# Altium PCB GameBoard_V1I1.PcbDoc (part 5 of 22) (continued)
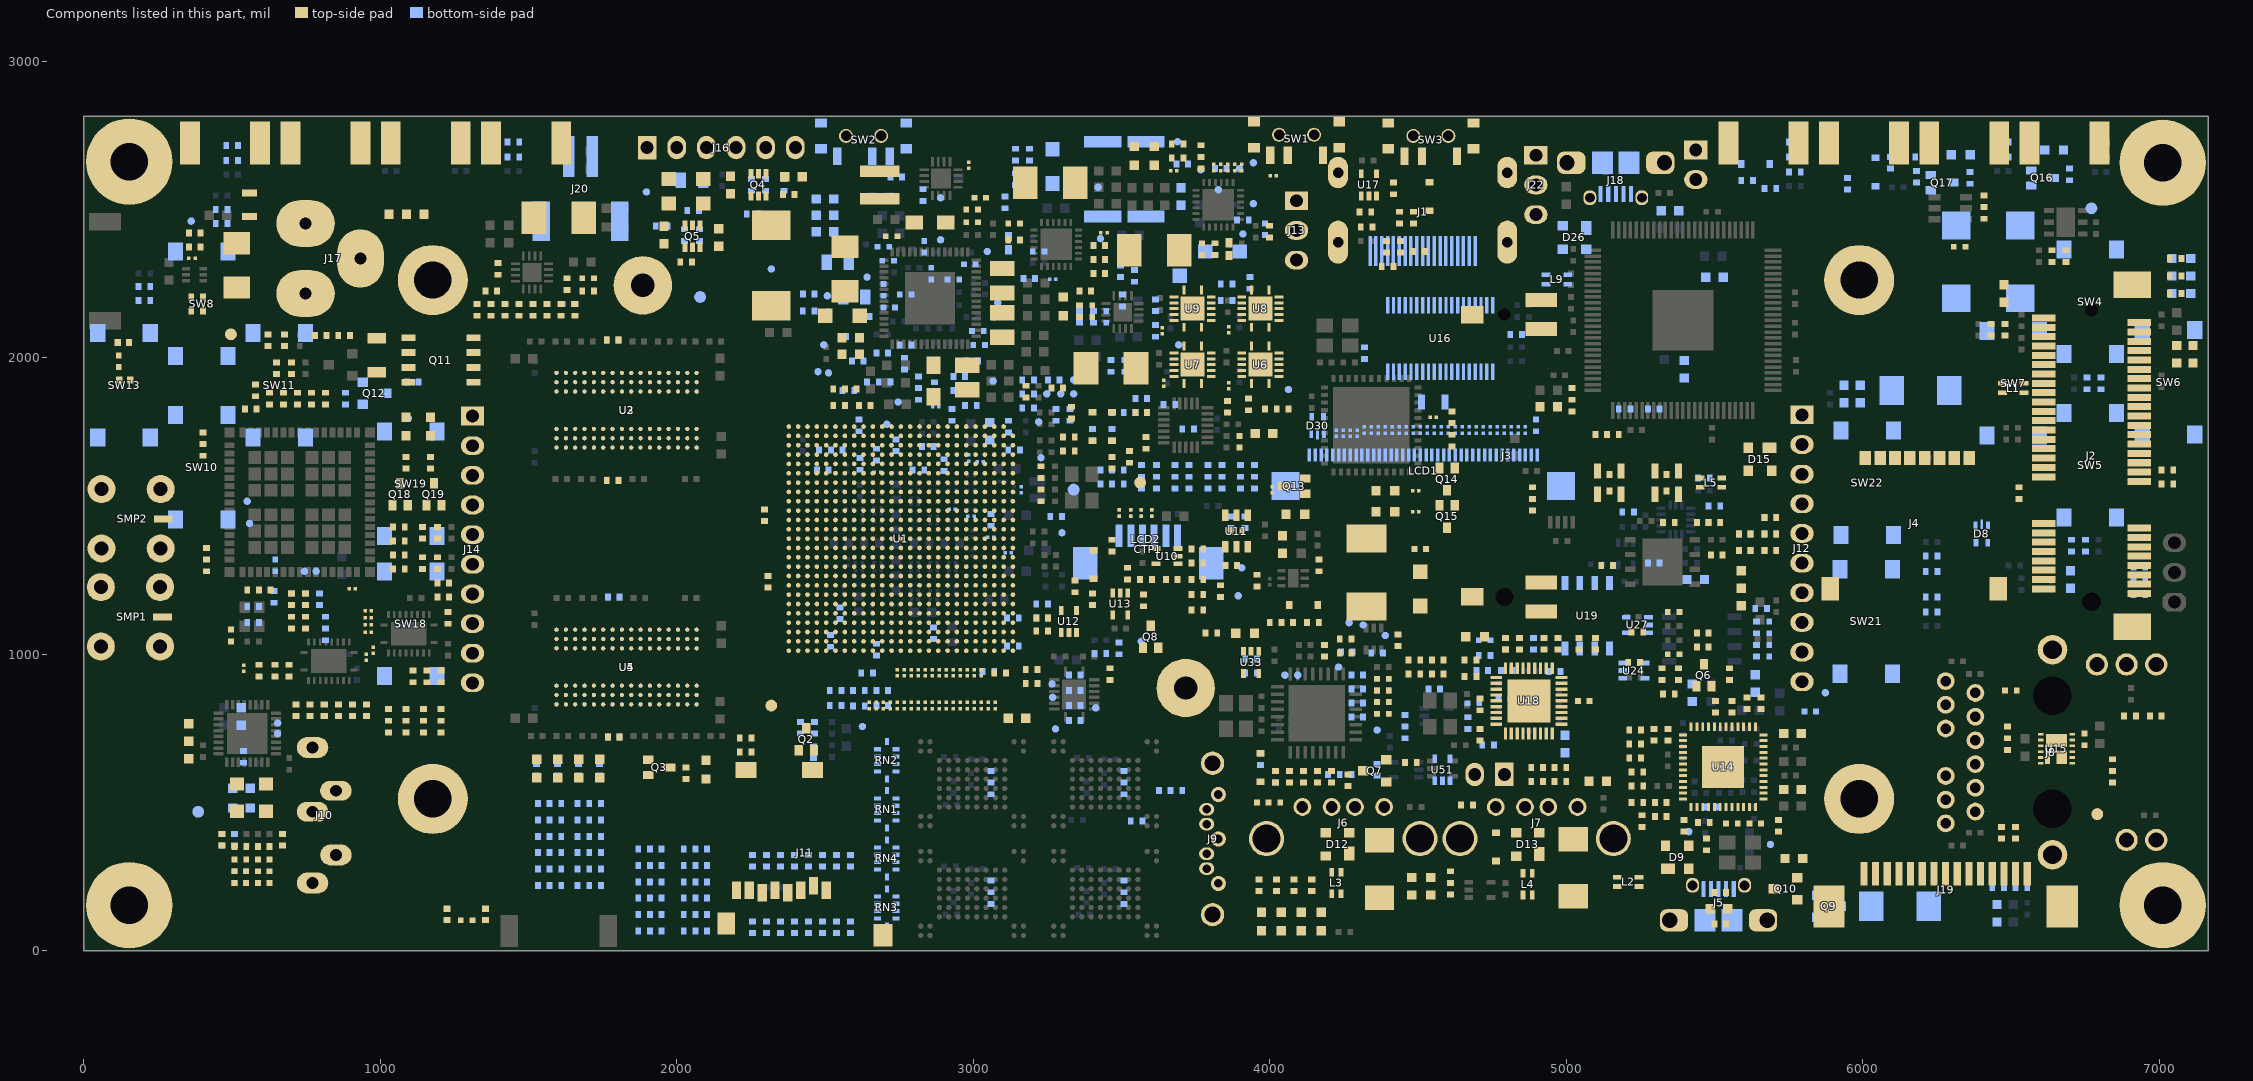
[diagram p15: the components of this part, seen from the top]
## Part data (continued)
R300: library part CRCW040263K4FKED, "RES SMD 63.4K OHM 1% 1/16W 0402", Manufacturer="Vishay Dale", Operating Temperature="-55°C ~ 155°C", Package / Case="0402 (1005 Metric)", Power (Watts)="0.063W, 1/16W", Resistance (Ohms)=63.4k, Supplier Part Number 1=541-63.4KLCT-ND, Temperature Coefficient=±100ppm/°C, Tolerance=±1%, .Checked PCB=used, .Checked SCH=used, .Creator=MM, Category=Resistors, ComponentLink1Description=http://www.vishay.com/docs/20035/dcrcwe3.pdf, ComponentLink1URL=http://www.vishay.com/docs/20035/dcrcwe3.pdf, Composition="Thick Film", Features="Automotive AEC-Q200", Height="0.016\" (0.40mm)", Manufacturer Part Number=CRCW040263K4FKED, Number of Terminations=2, Packaging="Cut Tape (CT)", Pricing 1="10=0.083, 50=0.0444, 200=0.0255, 1000=0.0174 (USD)", RoHS="RoHS Compliant", Size / Dimension="0.039\" L x 0.020\" W (1.00mm x 0.50mm)", Stock 1=43534, Supplier 1=Digi-Key, Supplier 2=Digi-Key, Supplier Device Package="0402 (1005 Metric)", Supplier Part Number 2=P63.4KDCCT-ND
R307: library part CRCW0402390KFKED, "RES 390K OHM 1/16W 1% 0402 SMD", Manufacturer="Vishay Dale", Package / Case="0402 (1005 Metric)", Power (Watts)="0.063W, 1/16W", Supplier Part Number 1=541-390KLCT-ND, Temperature Coefficient=±100ppm/°C, Tolerance=±1%, .Checked PCB=used, .Checked SCH=used, .Creator=MM, Category=Resistors, ComponentLink1Description=http://www.vishay.com/docs/20035/dcrcwe3.pdf, ComponentLink1URL=http://www.vishay.com/docs/20035/dcrcwe3.pdf, Composition="Thick Film", Features="Automotive AEC-Q200 Qualified", Height="0.016\" (0.40mm)", Manufacturer Part Number=CRCW0402390KFKED, Number of Terminations=2, Packaging="Cut Tape (CT)", Pricing 1="10=0.083, 50=0.0444, 200=0.0255, 1000=0.0174 (USD)", Resistance (Ohms)=390k, RoHS="RoHS Compliant", Size / Dimension="0.039\" L x 0.020\" W (1.00mm x 0.50mm)", Stock 1=288225, Supplier 1=Digi-Key, Supplier 2=Digi-Key, Supplier Device Package="0402 (1005 Metric)", Supplier Part Number 2=YAG3143CT-ND
R311: library part RC0402FR-0786K6L, "RES SMD 86.6K OHM 1% 1/16W 0402", Manufacturer=Yageo, Operating Temperature="-55°C ~ 155°C", Package / Case="0402 (1005 Metric)", Power (Watts)="0.063W, 1/16W", Resistance (Ohms)=86.6k, Supplier Device Package=0402, Supplier Part Number 1=YAG3249CT-ND, Temperature Coefficient=±100ppm/°C, Tolerance=±1%, .Checked PCB=used, .Checked SCH=used, .Creator=MM, Category=Resistors, ComponentLink1Description=http://www.yageo.com/NewPortal/yageodocoutput?fileName=/pdf/R-Chip/PYu-RC_Group_51_RoHS_L_3.pdf, ComponentLink1URL=http://www.yageo.com/NewPortal/yageodocoutput?fileName=/pdf/R-Chip/PYu-RC_Group_51_RoHS_L_3.pdf, Composition="Thick Film", Features="Moisture Resistant", Height="0.016\" (0.40mm)", Manufacturer Part Number=RC0402FR-0786K6L, Number of Terminations=2, Packaging="Cut Tape (CT)", Pricing 1="1=0.1, 10=0.012, 25=0.0084, 100=0.0048, 250=0.00368, 500=0.00294, 1000=0.00216, 2500=0.00187, 5000=0.00155 (USD)", RoHS="RoHS Compliant", Size / Dimension="0.040\" L x 0.020\" W (1.00mm x 0.50mm)", Stock 1=7980, Supplier 1=Digi-Key
R320: library part CRCW040211K8FKED, "RES 11.8K OHM 1/16W 1% 0402 SMD", Manufacturer="Vishay Dale", Package / Case="0402 (1005 Metric)", Power (Watts)="0.063W, 1/16W", Resistance (Ohms)=11.8K, Supplier Part Number 1=541-11.8KLCT-ND, Temperature Coefficient=±100ppm/°C, Tolerance=±1%, .Checked PCB=used, .Checked SCH=used, Category=Resistors, ComponentLink1Description=http://www.vishay.com/doc?20035, ComponentLink1URL=http://www.vishay.com/doc?20035, Composition="Thick Film", Features=-, Height="0.016\" (0.40mm)", Manufacturer Part Number=CRCW040211K8FKED, Number of Terminations=2, Packaging="Cut Tape (CT)", Pricing 1="10=0.083, 50=0.0444, 200=0.0255, 1000=0.0174 (USD)", RoHS="RoHS Compliant", Size / Dimension="0.039\" L x 0.020\" W (1.00mm x 0.50mm)", Stock 1=30358, Supplier 1=Digi-Key, Supplier 2=Digi-Key, Supplier Part Number 2=RMCF0402FT11K8CT-ND
R321: library part RNCP1206FTD1K00, "RES SMD 1K OHM 1% 1/2W 1206", Manufacturer="Stackpole Electronics Inc", Operating Temperature="-55°C ~ 155°C", Package / Case="1206 (3216 Metric)", Power (Watts)="0.5W, 1/2W", Resistance (Ohms)=1k, Supplier Device Package=1206, Supplier Part Number 1=RNCP1206FTD1K00CT-ND, Temperature Coefficient=±100ppm/°C, Tolerance=±1%, .Checked PCB=used, .Checked SCH=used, .Creator=MM, Category=Resistors, ComponentLink1Description=http://www.seielect.com/catalog/SEI-RNCP.pdf, ComponentLink1URL=http://www.seielect.com/catalog/SEI-RNCP.pdf, Composition="Thin Film", Features=Anti-Sulfur, Height="0.024\" (0.60mm)", Manufacturer Part Number=RNCP1206FTD1K00, Number of Terminations=2, Packaging="Cut Tape (CT)", Pricing 1="1=0.1, 10=0.065, 50=0.0356, 100=0.0271, 250=0.02016, 500=0.01488, 1000=0.00992, 2500=0.00837 (USD)", RoHS="RoHS Compliant", Size / Dimension="0.122\" L x 0.059\" W (3.10mm x 1.50mm)", Stock 1=120283, Supplier 1=Digi-Key
R324: library part CRCW040210K5FKED, "RES 10.5K OHM 1/16W 1% 0402 SMD", Manufacturer=Vishay/Dale, Package / Case="0402 (1005 Metric)", Power (Watts)="0.063W, 1/16W", Resistance (Ohms)=10.5K, Supplier Part Number=541-10.5KLCT-ND, Temperature Coefficient=±100ppm/°C, Tolerance=±1%, .Checked PCB=used, .Checked SCH=used, Category=Resistors, ComponentLink1Description=http://www.vishay.com/doc?20035, ComponentLink1URL=http://www.vishay.com/doc?20035, Composition="Thick Film", Features=-, Height="0.016\" (0.40mm)", Manufacturer Part Number=CRCW040210K5FKED, Number of Terminations=2, Packaging="Cut Tape (CT)", Price 1k [$]=0.01740, Pricing 1="10=0.083, 50=0.0444, 200=0.0255, 1000=0.0174 (USD)", RoHS="RoHS Compliant", Size / Dimension="0.039\" L x 0.020\" W (1.00mm x 0.50mm)", Stock 1=36157, Supplier=Digikey, Supplier 1=Digi-Key, Supplier 2=Digi-Key, Supplier Part Number 1=541-10.5KLCT-ND, Supplier Part Number 2=YAG2951CT-ND
R328: library part RC0402FR-073R3L, "RES SMD 3.3 OHM 1% 1/16W 0402", Manufacturer=Yageo, Operating Temperature="-55°C ~ 155°C", Package / Case="0402 (1005 Metric)", Power (Watts)="0.063W, 1/16W", Supplier Device Package=0402, Supplier Part Number 1=311-3.30LRCT-ND, Temperature Coefficient=±200ppm/°C, Tolerance=±1%, Category=Resistors, ComponentLink1Description=http://www.yageo.com/documents/recent/PYu-RC_Group_51_RoHS_L_9.pdf, ComponentLink1URL=http://www.yageo.com/documents/recent/PYu-RC_Group_51_RoHS_L_9.pdf, Composition="Thick Film", Failure Rate=-, Features="Moisture Resistant", Height - Seated (Max)="0.016\" (0.40mm)", Manufacturer Part Number=RC0402FR-073R3L, Packaging="Cut Tape (CT)", Part Status=Active, Pricing 1="1=0.1, 10=0.02, 100=0.0083, 1000=0.00372, 2500=0.00323, 5000=0.00267 (USD)", RoHS="RoHS Compliant", Size / Dimension="0.039\" L x 0.020\" W (1.00mm x 0.50mm)", Stock 1=318027, Supplier 1=Digi-Key
R331 R332 R333 R334 R335 R336 R337 R338 R339 R340 R341 R343 R344 R346 R347 R349 R352 R354 R355 R356 R357 R358 R359 R360 R361 R362 R363 R364 R369 R370 R371 R372 R551: library part RC0201FR-0733RL, "RES 33 OHM 1% 1/20W 0201", Case/Package=0201, Case Code (Metric)=0603, Manufacturer=Yageo, Max Operating Temperature=125°C, Max Power Dissipation=50mW, Min Operating Temperature=-55°C, Package Quantity=1, Supplier Part Number 1=603-RC0201FR-0733RL, Temperature Coefficient=200ppm/°C, Tolerance=1%, Voltage Rating=25V, .Creator=MB, Case Code (Imperial)=0201, ComponentLink1Description=https://datasheet.ciiva.com/22698/1563626-22698520.pdf, ComponentLink1URL=https://datasheet.ciiva.com/22698/1563626-22698520.pdf, ComponentLink2Description=https://datasheet.ciiva.com/2560/pyu-r-int-thick-7-2560877.pdf, ComponentLink2URL=https://datasheet.ciiva.com/2560/pyu-r-int-thick-7-2560877.pdf, ComponentLink3Description=https://datasheet.ciiva.com/2560/pyu-r-int-thick-7-2560878.pdf, ComponentLink3URL=https://datasheet.ciiva.com/2560/pyu-r-int-thick-7-2560878.pdf, ComponentLink4Description=https://datasheet.ciiva.com/2560/pyu-r-int-thick-7-2560879.pdf, ComponentLink4URL=https://datasheet.ciiva.com/2560/pyu-r-int-thick-7-2560879.pdf, ComponentLink5Description=https://datasheet.ciiva.com/7672/1563626-7672223.pdf, ComponentLink5URL=https://datasheet.ciiva.com/7672/1563626-7672223.pdf, Composition="Thick Film", Height=0.01inch, Lead Free="Lead Free", Length=0.024inch, Manufacturer Part Number=RC0201FR-0733RL, Number of Terminations=2, Packaging="Tape and Reel", Power Rating=50mW, Pricing 1="1=0.1, 10=0.057, 50=0.057, 100=0.024, 1000=0.011, 10000=0.007 (USD)", REACH SVHC=Unknown, Resistance=33, Stock 1=17957, Supplier 1=Mouser, Termination=SMD/SMT, Width=0.012inch
R365: library part RC0603F473CS, "RES 47K OHM 1% 1/20W 0201", Case/Package=0201, Case Code (Metric)=0603, Manufacturer=Samsung, Max Operating Temperature=125°C, Max Power Dissipation=50mW, Min Operating Temperature=-55°C, Supplier Part Number 1=1276-3701-6-ND, Temperature Coefficient=250ppm/°C, Tolerance=1%, Voltage Rating (DC)=25V, .Creator=MB, Case Code (Imperial)=0201, ComponentLink1Description=https://datasheet.ciiva.com/26129/chip-resistor-150112-1-26129736.pdf, ComponentLink1URL=https://datasheet.ciiva.com/26129/chip-resistor-150112-1-26129736.pdf, ComponentLink2Description=https://datasheet.ciiva.com/26129/chip-resistor-150112-1-26129722.pdf, ComponentLink2URL=https://datasheet.ciiva.com/26129/chip-resistor-150112-1-26129722.pdf, ComponentLink3Description=https://datasheet.ciiva.com/26129/chip-resistor-150112-1-26129757.pdf, ComponentLink3URL=https://datasheet.ciiva.com/26129/chip-resistor-150112-1-26129757.pdf, Composition="Thick Film", Contact Plating=Tin, Height=0.01inch, Lead Free="Lead Free", Length=0.024inch, Manufacturer Part Number=RC0603F473CS, Number of Terminations=2, Packaging="Tape and Reel", Pricing 1="1=0.1, 10=0.021, 100=0.0086, 1000=0.00385, 2500=0.00334, 5000=0.00276 (USD)", Radiation Hardening=No, Resistance=47k, Stock 1=68760, Supplier 1=Digi-Key, Width=0.012inch
R373 R590: library part RC0201FR-07100KL, "RES 100K OHM 1/20W 1% 0201 SMD", Manufacturer=Yageo, Package / Case="0201 (0603 Metric)", Power (Watts)="0.05W, 1/20W", Supplier Device Package=0201, Supplier Part Number 1=311-100KMCT-ND, Temperature Coefficient=±200ppm/°C, Tolerance=±1%, .Checked PCB=used, .Checked SCH=used, .Creator=MM, Category=Resistors, ComponentLink1Description=http://www.yageo.com/documents/recent/PYu-RC0201_51_RoHS_L_8.pdf, ComponentLink1URL=http://www.yageo.com/documents/recent/PYu-RC0201_51_RoHS_L_8.pdf, Composition="Thick Film", Features="Moisture Resistant", Height="0.010\" (0.26mm)", Manufacturer Part Number=RC0201FR-07100KL, Number of Terminations=2, Packaging="Cut Tape (CT)", Pricing 1="1=0.1, 10=0.074, 25=0.054, 100=0.0303, 250=0.02312, 500=0.0185, 1000=0.01361, 2500=0.01182, 5000=0.00976 (USD)", Resistance (Ohms)=100k, RoHS="RoHS Compliant", Size / Dimension="0.024\" L x 0.012\" W (0.60mm x 0.30mm)", Stock 1=0, Supplier 1=Digi-Key, Supplier 2=Digi-Key, Supplier Part Number 2=1276-3714-1-ND
R470 R492: library part RMCF0201FT240R, "RES 240 OHM 1/20W 1% 0201", Manufacturer="Stackpole Electronics Inc", Package / Case="0201 (0603 Metric)", Power (Watts)="0.05W, 1/20W", Resistance (Ohms)=240, Supplier Device Package=0201, Supplier Part Number 1=RMCF0201FT240RCT-ND, Temperature Coefficient=±200ppm/°C, Tolerance=±1%, .Checked PCB=used, .Checked SCH=used, .Creator=MM, Category=Resistors, ComponentLink1Description=http://www.seielect.com/Catalog/SEI-RMCF_RMCP.pdf, ComponentLink1URL=http://www.seielect.com/Catalog/SEI-RMCF_RMCP.pdf, Composition="Thick Film", Features=-, Height="0.009\" (0.24mm)", Manufacturer Part Number=RMCF0201FT240R, Number of Terminations=2, Packaging="Cut Tape (CT)", Pricing 1="1=0.12, 10=0.084, 50=0.046, 100=0.035, 250=0.026, 500=0.0192, 1000=0.0128, 2500=0.0108, 5000=0.009 (USD)", RoHS="RoHS Compliant", Size / Dimension="0.024\" L x 0.012\" W (0.60mm x 0.30mm)", Stock 1=37080, Supplier 1=Digi-Key
R475 R476: library part CRCW25120000Z0EG, "RES 0.0 OHM JUMPER 1W 2512", Case/Package=2512, Case Code (Metric)=6432, Manufacturer="Vishay Dale", Max Operating Temperature=155°C, Max Power Dissipation=1W, Min Operating Temperature=-55°C, Package Quantity=2000, Supplier Part Number 1=541-0.0XDKR-ND, Temperature Coefficient=100ppm/°C, Voltage Rating=500V, .Creator=MB, Case Code (Imperial)=2512, ComponentLink1Description=https://datasheet.ciiva.com/2478/dcrcwe3-2478338.pdf, ComponentLink1URL=https://datasheet.ciiva.com/2478/dcrcwe3-2478338.pdf, ComponentLink2Description=https://datasheet.ciiva.com/2478/dcrcwe3-2478339.pdf, ComponentLink2URL=https://datasheet.ciiva.com/2478/dcrcwe3-2478339.pdf, ComponentLink3Description=https://datasheet.ciiva.com/2478/dcrcwe3-2478340.pdf, ComponentLink3URL=https://datasheet.ciiva.com/2478/dcrcwe3-2478340.pdf, ComponentLink4Description=https://datasheet.ciiva.com/9109/dcrcwe3-9109958.pdf, ComponentLink4URL=https://datasheet.ciiva.com/9109/dcrcwe3-9109958.pdf, ComponentLink5Description=https://datasheet.ciiva.com/16777/70201119-16777511.pdf, ComponentLink5URL=https://datasheet.ciiva.com/16777/70201119-16777511.pdf, ComponentLink6Description=https://datasheet.ciiva.com/16782/70201119-16782055.pdf, ComponentLink6URL=https://datasheet.ciiva.com/16782/70201119-16782055.pdf, ComponentLink7Description=https://datasheet.ciiva.com/22665/1701828-22665687.pdf, ComponentLink7URL=https://datasheet.ciiva.com/22665/1701828-22665687.pdf, ComponentLink8Description=https://datasheet.ciiva.com/5545/dcrcwe3-109170-5545512.pdf, ComponentLink8URL=https://datasheet.ciiva.com/5545/dcrcwe3-109170-5545512.pdf, ComponentLink9Description=https://datasheet.ciiva.com/9109/dcrcwe3-9109960.pdf, ComponentLink9URL=https://datasheet.ciiva.com/9109/dcrcwe3-9109960.pdf, Composition="Thick Film", Contact Plating=Tin, Depth=3.15mm, Height=0.028inch, Length=6.3mm, Manufacturer Part Number=CRCW25120000Z0EG, Military Standard=Not, Mount="Surface Mount", Number of Pins=2, Number of Terminations=2, Packaging="Tape and Reel", Power Rating=1W, Pricing 1="1=0.39, 10=0.333, 25=0.242, 50=0.1754, 100=0.1301, 250=0.09984, 500=0.07866, 1000=0.05445 (USD)", Radiation Hardening=No, REACH SVHC="No SVHC", Resistance=0mR, Stock 1=41666, Supplier 1=Digi-Key, Termination=SMD/SMT, Weight=0.001429oz, Width=0.124inch
R477 R574: library part CRCW04025K23FKED, "RES SMD 5.23K OHM 1% 1/16W 0402", Manufacturer="Vishay Dale", Operating Temperature="-55°C ~ 155°C", Package / Case="0402 (1005 Metric)", Power (Watts)="0.063W, 1/16W", Supplier Device Package=0402, Supplier Part Number 1=541-5.23KLCT-ND, Temperature Coefficient=±100ppm/°C, Tolerance=±1%, .Creator=MB, Category=Resistors, ComponentLink1Description=http://www.vishay.com/docs/20035/dcrcwe3.pdf, ComponentLink1URL=http://www.vishay.com/docs/20035/dcrcwe3.pdf, Composition="Thick Film", Failure Rate=-, Features="Automotive AEC-Q200", Height - Seated (Max)="0.016\" (0.40mm)", Manufacturer Part Number=CRCW04025K23FKED, Packaging="Cut Tape (CT)", Part Status=Active, Pricing 1="1=0.1, 10=0.044, 100=0.0178, 1000=0.00802, 2500=0.00696, 5000=0.00575 (USD)", Pricing 2="1=0.1, 10=0.044, 100=0.0178, 1000=0.00802, 2500=0.00696, 5000=0.00575 (USD)", RoHS="RoHS Compliant", Size / Dimension="0.039\" L x 0.020\" W (1.00mm x 0.50mm)", Stock 1=224047, Stock 2=246159, Supplier 1=Digi-Key, Supplier 2=Digi-Key, Supplier Part Number 2=541-30.1KLCT-ND
R484: library part CRCW040230K1FKED, "RES SMD 30.1K OHM 1% 1/16W 0402", Manufacturer="Vishay Dale", Operating Temperature="-55°C ~ 155°C", Package / Case="0402 (1005 Metric)", Power (Watts)="0.063W, 1/16W", Supplier Device Package=0402, Supplier Part Number 1=541-30.1KLDKR-ND, Temperature Coefficient=±100ppm/°C, Tolerance=±1%, .Creator=MB, Category=Resistors, ComponentLink1Description=http://www.vishay.com/docs/20035/dcrcwe3.pdf, ComponentLink1URL=http://www.vishay.com/docs/20035/dcrcwe3.pdf, Composition="Thick Film", Failure Rate=-, Features="Automotive AEC-Q200", Height - Seated (Max)="0.016\" (0.40mm)", Manufacturer Part Number=CRCW040230K1FKED, Packaging=Digi-Reel®, Part Status=Active, Pricing 1="1=0.1, 10=0.044, 100=0.0178, 1000=0.00802, 2500=0.00696, 5000=0.00575 (USD)", RoHS="RoHS Compliant", Size / Dimension="0.039\" L x 0.020\" W (1.00mm x 0.50mm)", Stock 1=246159, Supplier 1=Digi-Key, Supplier 2=Digi-Key, Supplier Part Number 2=311-30.1KLRCT-ND
R485: library part NTCG103JF103FT1, "THERMISTOR NTC 10K OHM 1% 0402", Case/Package=0402, Case Code (Metric)=1005, Manufacturer=TDK, Max Operating Temperature=125°C, Min Operating Temperature=-40°C, Package Quantity=10000, Supplier Part Number 1=445-2550-6-ND, Tolerance=1%, .Creator=MB, Accuracy=1%, Case Code (Imperial)=0402, ComponentLink1Description=https://datasheet.ciiva.com/2848/ntcg103jf103ft1-web-2848583.pdf, ComponentLink1URL=https://datasheet.ciiva.com/2848/ntcg103jf103ft1-web-2848583.pdf, ComponentLink2Description=https://datasheet.ciiva.com/2848/ntcg103jf103ft1-web-2848584.pdf, ComponentLink2URL=https://datasheet.ciiva.com/2848/ntcg103jf103ft1-web-2848584.pdf, ComponentLink3Description=https://datasheet.ciiva.com/2848/ntcg103jf103ft1-web-2848585.pdf, ComponentLink3URL=https://datasheet.ciiva.com/2848/ntcg103jf103ft1-web-2848585.pdf, Depth=0.5mm, Length=1mm, Manufacturer Part Number=NTCG103JF103FT1, Mount="Surface Mount", Number of Pins=2, Packaging="Tape and Reel", Pricing 1="1=0.1, 5=0.098, 10=0.088, 25=0.0808, 50=0.0646, 100=0.0554, 500=0.04852, 1000=0.04158, 5000=0.03696 (USD)", Radiation Hardening=No, Stock 1=135498, Supplier 1=Digi-Key
R499: library part ERJ-1GEF6041C, "RES 6.04K OHM 1/20W 1% 0201 SMD", Manufacturer="Panasonic Electronic Components", Package / Case="0201 (0603 Metric)", Power (Watts)="0.05W, 1/20W", Resistance (Ohms)=6.04k, Supplier Device Package=0201, Supplier Part Number 1=P6.04KABCT-ND, Temperature Coefficient=±200ppm/°C, Tolerance=±1%, .Checked PCB=used, .Checked SCH=used, .Creator=MM, Category=Resistors, ComponentLink1Description=http://media.digikey.com/pdf/Data%20Sheets/Panasonic%20Resistors%20Thermistors%20PDFs/ERJ_G,R,E_Rev08.pdf, ComponentLink1URL=http://media.digikey.com/pdf/Data%20Sheets/Panasonic%20Resistors%20Thermistors%20PDFs/ERJ_G,R,E_Rev08.pdf, Composition="Thick Film", Features=-, Height="0.010\" (0.26mm)", Manufacturer Part Number=ERJ-1GEF6041C, Number of Terminations=2, Packaging="Cut Tape (CT)", Pricing 1="1=0.11, 50=0.0414, 100=0.0315, 250=0.0234, 500=0.01728, 1000=0.01152, 5000=0.0081 (USD)", RoHS="RoHS Compliant", Size / Dimension="0.024\" L x 0.012\" W (0.60mm x 0.30mm)", Stock 1=78155, Supplier 1=Digi-Key
R506: library part CRCW0402470KFKED, "RES 470K OHM 1/16W 1% 0402 SMD", Manufacturer="Vishay Dale", Package / Case="0402 (1005 Metric)", Power (Watts)="0.063W, 1/16W", Resistance (Ohms)=470K, Supplier Part Number 1=541-470KLCT-ND, Temperature Coefficient=±100ppm/°C, Tolerance=±1%, .Checked PCB=used, .Checked SCH=used, Category=Resistors, ComponentLink1Description=http://www.vishay.com/doc?20035, ComponentLink1URL=http://www.vishay.com/doc?20035, Composition="Thick Film", Features=-, Height="0.016\" (0.40mm)", Manufacturer Part Number=CRCW0402470KFKED, Number of Terminations=2, Packaging="Cut Tape (CT)", Pricing 1="10=0.083, 50=0.0444, 200=0.0255, 1000=0.0174 (USD)", RoHS="RoHS Compliant", Size / Dimension="0.039\" L x 0.020\" W (1.00mm x 0.50mm)", Stock 1=9270, Supplier 1=Digi-Key, Supplier 2=Digi-Key, Supplier Part Number 2=RMCF0402FT470KCT-ND
R509: library part RC0402FR-07200KL, "RES 200K OHM 1% 1/16W 0402", Case/Package=0402, Case Code (Metric)=1005, Manufacturer=Yageo, Max Operating Temperature=155°C, Max Power Dissipation=63mW, Min Operating Temperature=-55°C, Package Quantity=1, Power Rating=62.5mW, Resistance=200kR, Supplier Part Number 1=311-200KLRCT-ND, Temperature Coefficient=100ppm/°C, Tolerance=1%, Voltage Rating=50V, Case Code (Imperial)=0402, ComponentLink1Description=https://datasheet.ciiva.com/2453/pyu-r-int-thick-7-2453556.pdf, ComponentLink1URL=https://datasheet.ciiva.com/2453/pyu-r-int-thick-7-2453556.pdf, ComponentLink2Description=https://datasheet.ciiva.com/2453/pyu-r-int-thick-7-2453557.pdf, ComponentLink2URL=https://datasheet.ciiva.com/2453/pyu-r-int-thick-7-2453557.pdf, ComponentLink3Description=https://datasheet.ciiva.com/15189/getdatasheetpartid-323720-15189381.pdf, ComponentLink3URL=https://datasheet.ciiva.com/15189/getdatasheetpartid-323720-15189381.pdf, ComponentLink4Description=https://datasheet.ciiva.com/2453/pyu-r-int-thick-7-2453558.pdf, ComponentLink4URL=https://datasheet.ciiva.com/2453/pyu-r-int-thick-7-2453558.pdf, ComponentLink5Description=https://datasheet.ciiva.com/12667/pyu-rc0402-51-rohs-l-6-r-12667911.pdf, ComponentLink5URL=https://datasheet.ciiva.com/12667/pyu-rc0402-51-rohs-l-6-r-12667911.pdf, ComponentLink6Description=https://datasheet.ciiva.com/7849/1018594-7849896.pdf, ComponentLink6URL=https://datasheet.ciiva.com/7849/1018594-7849896.pdf, ComponentLink7Description=https://datasheet.ciiva.com/7849/1018594-7849897.pdf, ComponentLink7URL=https://datasheet.ciiva.com/7849/1018594-7849897.pdf, ComponentLink8Description=https://datasheet.ciiva.com/46394/1018594-46394953.pdf, ComponentLink8URL=https://datasheet.ciiva.com/46394/1018594-46394953.pdf, ComponentLink9Description=https://datasheet.ciiva.com/16740/pyu-rc0402-51-rohs-l-6-r-16740636.pdf, ComponentLink9URL=https://datasheet.ciiva.com/16740/pyu-rc0402-51-rohs-l-6-r-16740636.pdf, Composition="Thick Film", Depth=0.5mm, Height=0.016inch, Lead Free="Lead Free", Length=1mm, Manufacturer Part Number=RC0402FR-07200KL, Military Standard=Not, Number of Terminations=2, Packaging="Tape and Reel", Pricing 1="1=0.1, 10=0.014, 100=0.0056, 1000=0.00253, 2500=0.0022, 5000=0.00181 (USD)", REACH SVHC="No SVHC", Stock 1=22026, Supplier 1=Digi-Key, Termination=SMD/SMT, Voltage Rating (DC)=50V, Width=0.02inch, Working Voltage=50V
RN1 RN2 RN3 RN4: "RES ARRAY 10k 8pos 10pin", Case/Package=1206, Case Code (Metric)=3216, Manufacturer=Panasonic, Max Operating Temperature=125°C, Min Operating Temperature=-55°C, Number of Resistors=8, Package Quantity=1, Power Dissipation=50mW, Resistance=10kR, Supplier Part Number 1=U9103CT-ND, Temperature Coefficient=200ppm/°C, Tolerance=5%, Voltage Rating=25V, Voltage Rating (DC)=50V, .Creator=MB, Case Code (Imperial)=1206, Circuit Type=Bussed, ComponentLink1Description=https://datasheet.ciiva.com/3265/aoc0000ce3-3265173.pdf, ComponentLink1URL=https://datasheet.ciiva.com/3265/aoc0000ce3-3265173.pdf, ComponentLink2Description=https://datasheet.ciiva.com/26913/getdatasheetpartid-253339-26913798.pdf, ComponentLink2URL=https://datasheet.ciiva.com/26913/getdatasheetpartid-253339-26913798.pdf, ComponentLink3Description=https://datasheet.ciiva.com/28418/1790634-28418905.pdf, ComponentLink3URL=https://datasheet.ciiva.com/28418/1790634-28418905.pdf, ComponentLink4Description=https://datasheet.ciiva.com/8054/1790634-8054650.pdf, ComponentLink4URL=https://datasheet.ciiva.com/8054/1790634-8054650.pdf, ComponentLink5Description=https://datasheet.ciiva.com/3263/aoc0000ce3-3263821.pdf, ComponentLink5URL=https://datasheet.ciiva.com/3263/aoc0000ce3-3263821.pdf, ComponentLink6Description=https://datasheet.ciiva.com/16964/aoc0000ce3-16964031.pdf, ComponentLink6URL=https://datasheet.ciiva.com/16964/aoc0000ce3-16964031.pdf, Contact Plating=Tin, Depth=1.6mm, Height=0.026inch, Lead Free="Lead Free", Length=3.2mm, Manufacturer Part Number=EXB-D10C103J, Military Standard=Not, Mount="Surface Mount", Number of Contacts=10, Number of Elements=8, Number of Pins=10, Number of Terminals=10, Packaging="Tape and Reel", Power Per Element=50mW, Pricing 1="1=0.49, 10=0.376, 25=0.286, 50=0.2124, 100=0.1579, 250=0.1334, 500=0.11434, 1000=0.08712 (USD)", Radiation Hardening=No, REACH SVHC=Unknown, Stock 1=78527, Supplier 1=Digi-Key, Terminal Pitch=0.64mm, Termination=Concave, Width=1.6mm
SMP1 SMP2: library part SMP-F, "CONN SMP PLUG STR 50 OHM SMD", Frequency - Max=40GHz, Manufacturer="Molex, LLC", Operating Temperature="-65°C ~ 155°C", Part Number=0734153320, Fastening Type=Snap-On, Impedance="50 Ohm"
SW1 SW2 SW3: "Slide Switches SPDT HORZ GRND 1.5mm", Case/Package=SMD/SMT, Contact Current Rating=300mA, Contact Resistance=70mR, Manufacturer="Alps Electric", Max Operating Temperature=85°C, Max Voltage Rating (DC)=5V, Min Operating Temperature=-10°C, Supplier Part Number 1=688-SSSS811101, Voltage Rating (AC)=4V, ComponentLink1Description=https://datasheet.ciiva.com/18147/getdatasheetpartid-652127-18147399.pdf, ComponentLink1URL=https://datasheet.ciiva.com/18147/getdatasheetpartid-652127-18147399.pdf, ComponentLink2Description=https://datasheet.ciiva.com/16174/623ssss8-16174702.pdf, ComponentLink2URL=https://datasheet.ciiva.com/16174/623ssss8-16174702.pdf, Depth=5mm, Electrical Life=10000Cycles, Lead Free="Lead Free", Length=7.7mm, Manufacturer Part Number=SSSS811101, Mechanical Life=10000Cycles, Mount="Surface Mount", Orientation="Right Angle", Packaging="Tape and Reel", Pricing 1="1=0.97, 10=0.97, 50=0.819, 100=0.726, 1000=0.533, 10000=0.502 (USD)", Radiation Hardening=No, Stock 1=37406, Supplier 1=Mouser, Termination="Gull Wing", Throw Configuration=SP,SPDT
SW4 SW5 SW6 SW7 SW8 SW10 SW11 SW13 SW18 SW19 SW21 SW22: "SWITCH TACTILE SPST-NO 0.05A 12V", Contact Current Rating=50mA, Contact Resistance=100mR, Manufacturer=E-Switch, Max Operating Temperature=70°C, Max Voltage Rating (DC)=12V, Min Operating Temperature=-20°C, Operating Force=160gf, Package Quantity=1, Supplier Part Number 1=EG1869DKR-ND, .Creator=MB, Actuator Length=2.9mm, Actuator Material=Nylon,Polyamide, ComponentLink1Description=https://datasheet.ciiva.com/2900/tl3301-2900816.pdf, ComponentLink1URL=https://datasheet.ciiva.com/2900/tl3301-2900816.pdf, ComponentLink2Description=https://datasheet.ciiva.com/2900/tl3301-2900817.pdf, ComponentLink2URL=https://datasheet.ciiva.com/2900/tl3301-2900817.pdf, ComponentLink3Description=https://datasheet.ciiva.com/2900/tl3301-2900818.pdf, ComponentLink3URL=https://datasheet.ciiva.com/2900/tl3301-2900818.pdf, ComponentLink4Description=https://datasheet.ciiva.com/16156/j100793-16156342.pdf, ComponentLink4URL=https://datasheet.ciiva.com/16156/j100793-16156342.pdf, ComponentLink5Description=https://datasheet.ciiva.com/16204/tl3301-16204902.pdf, ComponentLink5URL=https://datasheet.ciiva.com/16204/tl3301-16204902.pdf, ComponentLink6Description=https://datasheet.ciiva.com/7637/tl3301-7637662.pdf, ComponentLink6URL=https://datasheet.ciiva.com/7637/tl3301-7637662.pdf, Contact Material=Silver, Contact Plating=Silver, Current Rating=50mA, Electrical Life=100000Cycles, Illumination Type=Non-Illuminated,Illuminated, Lead Free="Lead Free", Length=6mm, Manufacturer Part Number=TL3301SPF160QG, Mechanical Life=100000Cycles, Mount="Surface Mount", Orientation=Straight, Packaging="Tape and Reel", Pricing 1="1=0.43, 10=0.419, 25=0.404, 50=0.389, 100=0.374, 250=0.34408 (USD)", REACH SVHC="No SVHC", Stock 1=57828, Supplier 1=Digi-Key, Switch Function=Off-Mom, Switch Travel=0.25mm, Termination="Gull Wing", Throw Configuration=SPST, Voltage Rating (DC)=12V, Width=6mm
SW9 SW12 SW14 SW15 SW16 SW17 SW20 SW23: "SWITCH TACTILE SPST-NO 0.05A 50V", Contact Current Rating=50mA, Contact Resistance=100mR, Insulation Resistance=1GR, IP Rating=IP40, Manufacturer="ITT C&K", Max Operating Temperature=85°C, Max Voltage Rating (DC)=32V, Min Operating Temperature=-40°C, Operating Force=2.5N, Package Quantity=1, Power Rating=1W, Supplier Part Number 1=401-1101-6-ND, .Creator=MB, Actuator Length=0.8mm, ComponentLink1Description=https://datasheet.ciiva.com/2900/kss-9aug12-2900416.pdf, ComponentLink1URL=https://datasheet.ciiva.com/2900/kss-9aug12-2900416.pdf, ComponentLink2Description=https://datasheet.ciiva.com/5684/19445-5684464.pdf, ComponentLink2URL=https://datasheet.ciiva.com/5684/19445-5684464.pdf, ComponentLink3Description=https://datasheet.ciiva.com/16210/kss331glfs-16210788.pdf, ComponentLink3URL=https://datasheet.ciiva.com/16210/kss331glfs-16210788.pdf, ComponentLink4Description=https://datasheet.ciiva.com/30466/0900766b8129cd37-30466693.pdf, ComponentLink4URL=https://datasheet.ciiva.com/30466/0900766b8129cd37-30466693.pdf, ComponentLink5Description=https://datasheet.ciiva.com/7987/19445-7987001.pdf, ComponentLink5URL=https://datasheet.ciiva.com/7987/19445-7987001.pdf, ComponentLink6Description=https://datasheet.ciiva.com/7987/19445-7987002.pdf, ComponentLink6URL=https://datasheet.ciiva.com/7987/19445-7987002.pdf, ComponentLink7Description=https://datasheet.ciiva.com/18145/getdatasheetpartid-494910-18145580.pdf, ComponentLink7URL=https://datasheet.ciiva.com/18145/getdatasheetpartid-494910-18145580.pdf, ComponentLink8Description=https://datasheet.ciiva.com/2900/kss-2900414.pdf, ComponentLink8URL=https://datasheet.ciiva.com/2900/kss-2900414.pdf, ComponentLink9Description=https://datasheet.ciiva.com/16695/kss-16695982.pdf, ComponentLink9URL=https://datasheet.ciiva.com/16695/kss-16695982.pdf, ComponentLink10Description=https://datasheet.ciiva.com/2900/kss-2900415.pdf, ComponentLink10URL=https://datasheet.ciiva.com/2900/kss-2900415.pdf, Contact Material=Silver, Contact Plating=Silver, Current Rating=50mA, Depth=4.4mm, Illumination Type=Non-Illuminated,Illuminated, Lead Free="Lead Free", Length=4.5mm, Manufacturer Part Number=KSS331GLFS, Max Current Rating=50mA, Mechanical Life=100000Cycles, Mount="Surface Mount", Orientation="Right Angle", Packaging="Tape and Reel", Pricing 1="1=0.75, 10=0.724, 25=0.6828, 50=0.6008, 100=0.5461, 250=0.51884, 500=0.50516, 1000=0.39594 (USD)", Radiation Hardening=No, REACH SVHC="No SVHC", Stock 1=32703, Supplier 1=Digi-Key, Switch Function=Off-Mom, Switch Travel=0.3mm, Termination="Gull Wing", Throw Configuration=SPST, Voltage Rating (DC)=32V, Width=7mm
TP1 TP2 TP3 TP4 TP5 TP6 TP7 TP8 TP9 TP10 TP11 TP12 TP13 TP14 TP15 TP16 TP17 TP18 TP19 TP20 TP21 TP22 TP23 TP24 TP25 TP26 TP27 TP28 TP29 TP30 TP31 TP32 TP33 TP34 TP35 TP36 TP37 TP38 TP39 TP40 TP41 TP42 TP43 TP44 TP45 TP46 TP47 TP48 TP49 TP50 TP51 TP52 TP53 TP54 TP55 TP56 TP57 TP58 TP59 TP60 TP61: "Test Point 25mil", .Checked PCB=used
U1: "IC MCU 32BIT ARM QUAD 624FCBGA", Manufacturer="Freescale Semiconductor", Manufacturer Part Number=MCIMX6Q5EYM10AC, Operating Temperature="-20°C ~ 105°C", Package / Case="624-FBGA, FCBGA", Supplier Part Number 1=MCIMX6Q5EYM10AC-ND, Voltage - Supply (Vcc/Vdd)="0.925 V ~ 1.5 V", .Checked PCB=used, .Checked SCH=used, .Creator=MM, Category="Integrated Circuits (ICs)", ComponentLink1Description="Data Sheet", ComponentLink1URL=http://cache.freescale.com/files/32bit/doc/data_sheet/IMX6DQCEC.pdf, ComponentLink2Description="User Guide", ComponentLink2URL=file:///C:/Users/mbeach/Downloads/i.MX_Linux_User's_Guide.pdf, Connectivity="CAN, EBI/EMI, ESAI, Ethernet, GPMI, I2C, MMC/SD, PCI, SATA, SPI, UART, USB, USB OTG", Core Processor="ARM® Cortex™-A9", Core Size="32-Bit Quad-Core", Data Converters=-, EEPROM Size=-, Number of I /O=224, Oscillator Type=Internal, Packaging=Tray, Peripherals="DMA, HDMI, I2S/SSI/AC97, MIPI CSI, MIMI DSI, MIPI HIS, PWM, WDT", Pricing 1="1=54.98, 10=51.922, 25=48.868, 100=30.5424 (USD)", Program Memory Size=-, Program Memory Type="External Program Memory", RAM Size="256K x 8", RoHS="RoHS Compliant", Speed=1.0GHz, Stock 1=0, Supplier 1=Digi-Key, Supplier 2=Arrow, Supplier Part Number 2=MCIMX6QP5EYM1AA
U2 U3 U4 U5: "IC DDR3 SDRAM 2GBIT 96FBGA", Case/Package=TFBGA, Frequency=800MHz, Manufacturer="Micron Technology", Max Frequency=1.6GHz, Max Operating Temperature=95°C, Min Operating Temperature=0°C, Operating Supply Voltage=1.5V, Package Quantity=2000, Supplier Part Number 1=557-1611-1-ND, .Creator=MB, Address Bus Width=17b, ComponentLink1Description=https://datasheet.ciiva.com/18618/2gb-ddr3-sdram-18618022.pdf, ComponentLink1URL=https://datasheet.ciiva.com/18618/2gb-ddr3-sdram-18618022.pdf, ComponentLink2Description=https://datasheet.ciiva.com/18618/2gb-ddr3-sdram-18618023.pdf, ComponentLink2URL=https://datasheet.ciiva.com/18618/2gb-ddr3-sdram-18618023.pdf, ComponentLink3Description=https://datasheet.ciiva.com/18618/2gb-ddr3-sdram-18618024.pdf, ComponentLink3URL=https://datasheet.ciiva.com/18618/2gb-ddr3-sdram-18618024.pdf, Density=2Gb, Interface=Parallel, Manufacturer Part Number=MT41J128M16JT-125:KTR, Memory Type="DDR3 SDRAM,RAM", Number of Pins=96, Packaging="Tape and Reel", Pricing 1="1=8.41 (USD)", Stock 1=38044, Supplier 1=Digi-Key
U6 U7 U8 U9: "IC MUX 2:1 8 OHM 14WQFN", Channel Capacitance (CS(off), CD(off))=-, Manufacturer="Texas Instruments", On-State Resistance (Max)="8 Ohm", Operating Temperature="-40°C ~ 105°C (TA)", Package / Case="14-WFQFN Exposed Pad", Supplier Device Package="14-WQFN (3.5x3.5)", Supplier Part Number 1=296-43743-1-ND, Voltage - Supply, Single (V+)="3 V ~ 3.6 V", -3db Bandwidth=7.5GHz, Category="Integrated Circuits (ICs)", Channel-to-Channel Matching (&Delta;Ron)="500 mOhm (Max)", Charge Injection=-, ComponentLink1Description=http://www.ti.com/lit/ds/symlink/hd3ss3411.pdf, ComponentLink1URL=http://www.ti.com/lit/ds/symlink/hd3ss3411.pdf, Crosstalk="-35dB @ 4Ghz", Current - Leakage (IS(off)) (Max)=-, Manufacturer Part Number=HD3SS3411IRWAR, Multiplexer/Demultiplexer Circuit=2:1, Packaging="Cut Tape (CT)", Part Status=Active, Pricing 1="1=2.01, 10=1.801, 100=1.448, 500=1.18966, 1000=0.98571 (USD)", RoHS="RoHS Compliant", Stock 1=260, Supplier 1=Digi-Key, Switch Circuit=-, Switch Time (Ton, Toff) (Max)=-, Voltage - Supply, Dual (V±)=-
U10 U13 U33 U51: "IC GATE AND 1CH 2-INP SC-70-5", Current - Output High, Low="-, 8mA", Current - Quiescent (Max)=1µA, Manufacturer="Texas Instruments", Operating Temperature="-55°C ~ 125°C", Package / Case="6-TSSOP (5 Lead), SC-88A, SOT-353", Supplier Device Package=SC-70-5, Supplier Part Number 1=296-29203-1-ND, Voltage - Supply="2 V ~ 5.5 V", .Checked PCB=used, .Checked SCH=used, .Creator=MM, Category="Integrated Circuits (ICs)", ComponentLink1Description=http://www.ti.com/lit/ds/symlink/sn74ahc1g09.pdf, ComponentLink1URL=http://www.ti.com/lit/ds/symlink/sn74ahc1g09.pdf, Features="Open Drain", Logic Level - High="1.5 V ~ 3.85 V", Logic Level - Low="0.5 V ~ 1.65 V", Logic Type="AND Gate", Manufacturer Part Number=SN74AHC1G09DCKR, Max Propagation Delay @ V, Max CL="7.5ns @ 5V, 50pF", Mounting Type="Surface Mount", Number of Circuits=1, Number of Inputs=2, Packaging="Cut Tape (CT)", Pricing 1="1=0.49, 10=0.345, 25=0.2836, 100=0.2265, 250=0.165, 500=0.134, 750=0.11351, 1000=0.103 (USD)", RoHS="RoHS Compliant", Stock 1=2059, Supplier 1=Digi-Key
U11: library part TPS3808G09DBVR, "IC VOLT SUPERVISOR 0.9V SOT23-6", Manufacturer="Texas Instruments", Number of Voltages Monitored=1, Operating Temperature="-40°C ~ 125°C", Package / Case=SOT-23-6, Supplier Part Number=296-17189-1-ND, Voltage - Threshold=0.84V, .Checked PCB=used, .Checked SCH=used, Category="Integrated Circuits (ICs)", ComponentLink1Description=http://www.ti.com/lit/ds/symlink/tps3808g01.pdf, ComponentLink1URL=http://www.ti.com/lit/ds/symlink/tps3808g01.pdf, Family="PMIC - Supervisors", Manufacturer Part Number=TPS3808G09DBVR, Mounting Type="Surface Mount", Output="Open Drain or Open Collector", Packaging="Cut Tape (CT)", Part #=102020-0009R, Price 1k [$]=1.12000, Pricing 1="1=2.45, 25=1.89, 100=1.715, 250=1.54, 500=1.33, 1000=1.12 (USD)", Reset="Active Low", Reset Timeout=Adjustable/Selectable, RoHS="RoHS Compliant", Stock 1=61681, Supplier=Digikey, Supplier 1=Digi-Key, Supplier Device Package=SOT-23-6, Supplier Part Number 1=296-17189-1-ND, Type="Simple Reset/Power-On Reset"
U12 U24 U27: "SINGLE POSITIVE AND GATE SC-70", Current - Output High, Low="32mA, 32mA", Manufacturer="Texas Instruments", Operating Temperature="-40°C ~ 85°C", Package / Case="6-TSSOP (5 lead), SC-88A, SOT-353", Supplier Device Package=SC-70-5, Supplier Part Number=296-11602-1-ND, Voltage - Supply="1.65 V ~ 5.5 V", .Checked PCB=used, .Checked SCH=used, Category="Integrated Circuits (ICs)", ComponentLink1Description=http://www.ti.com/lit/ds/symlink/sn74lvc1g08.pdf, ComponentLink1URL=http://www.ti.com/lit/ds/symlink/sn74lvc1g08.pdf, Family="Logic - Gates and Inverters", Logic Type="AND Gate", Manufacturer Part Number=SN74LVC1G08DCKR, Mounting Type="Surface Mount", Number of Circuits=1, Number of Inputs=2, Packaging="Cut Tape (CT)", Price 1k [$]=0.11250, Pricing 1="1=0.7, 25=0.322, 100=0.224, 250=0.1596, 500=0.1218, 1000=0.084 (USD)", RoHS="RoHS Compliant", Stock 1=36212, Supplier=Digikey, Supplier 1=Digi-Key, Supplier Part Number 1=296-11602-1-ND
U14: "IC TXRX ETHERNET 48-QFN", Manufacturer="Micrel Inc", Operating Temperature="-40°C ~ 85°C", Package / Case="48-VFQFN Exposed Pad", Supplier Device Package="48-QFN (7x7)", Supplier Part Number 1=576-4346-ND, Voltage - Supply="1.8V, 2.5V, 3.3V", .Checked PCB=used, .Checked SCH=used, .Creator=MM, Category="Integrated Circuits (ICs)", ComponentLink1Description=http://www.micrel.com/_PDF/Ethernet/datasheets/KSZ9031RNX.pdf, ComponentLink1URL=http://www.micrel.com/_PDF/Ethernet/datasheets/KSZ9031RNX.pdf, Data Rate=-, Duplex=Full, Manufacturer Part Number=KSZ9031RNXIA, Mounting Type="Surface Mount", Number of Drivers/Receivers=4/4, Packaging=Tray, Pricing 1="1=6.69, 10=5.975, 50=5.3776, 100=4.8995, 250=4.42152, 500=3.9674, 1000=3.346, 2500=3.1787, 5000=3.04725 (USD)", Protocol=Ethernet, Receiver Hysteresis=-, RoHS="RoHS Compliant", Stock 1=1755, Supplier 1=Digi-Key, Type=Transceiver
U15: "IC PWM REG 600mA 1.2V 12-MLF", Current - Output=600mA, Frequency - Switching=4MHz, Manufacturer="Micrel Inc", Operating Temperature="-40°C ~ 125°C", Package / Case="12-MLF®, QFN", Supplier Device Package="12-MLF™ (3x3)", Supplier Part Number=576-3044-1-ND, Voltage - Input="2.7 V ~ 5.5 V", Voltage - Output=1.2V, .Checked PCB=used, .Checked SCH=used, Category="Integrated Circuits (ICs)", ComponentLink1Description=http://www.micrel.com/_PDF/mic33050.pdf, ComponentLink1URL=http://www.micrel.com/_PDF/mic33050.pdf, Family="PMIC - Voltage Regulators - Switching DC DC Converters & Controllers", Manufacturer Part Number="MIC33050-4YHL TR", Mounting Type="Surface Mount", Number of Outputs=1, Output Type=Fixed, Packaging="Cut Tape (CT)", Price 1k [$]=1.62500, Pricing 1="1=2.34, 25=1.872, 100=1.456, 250=1.3832, 500=1.352 (USD)", PWM Type="Current Mode", RoHS="RoHS Compliant", Stock 1=1750, Supplier=Digikey, Supplier 1=Digi-Key, Supplier Part Number 1=576-3044-1-ND, Synchronous Rectifier=Yes, Type="Step-Down (Buck)"
U16: "IC HDMI TX PORT P/I 38-TSSOP", Manufacturer="ON Semiconductor", Package / Case="38-TFSOP (0.173\", 4.40mm Width) Exposed Pad", Supplier Device Package=38-TSSOP, Supplier Part Number 1=CM2020-00TROSCT-ND, .Checked PCB=used, .Checked SCH=used, .Creator=MM, Applications="Consumer Electronics, DVD-RW Players, Set Top Box", Category="Integrated Circuits (ICs)", ComponentLink1Description=http://www.onsemi.com/pub_link/Collateral/CM2020-00TR-D.PDF, ComponentLink1URL=http://www.onsemi.com/pub_link/Collateral/CM2020-00TR-D.PDF, Manufacturer Part Number=CM2020-00TR, Mounting Type="Surface Mount", Packaging="Cut Tape (CT)", Pricing 1="1=1.52, 10=1.34, 25=1.2096, 100=1.0584, 250=0.9282, 500=0.8232, 1000=0.651 (USD)", RoHS="RoHS Compliant", Stock 1=7580, Supplier 1=Digi-Key, Type="HDMI Transmitter"
U17: "IC BUFFER SCHMIT TRIG SC705", Current - Output High, Low="32mA, 32mA", Manufacturer="Texas Instruments", Operating Temperature="-40°C ~ 85°C", Package / Case="6-TSSOP (5 Lead), SC-88A, SOT-353", Supplier Device Package=SC-70-5, Supplier Part Number 1=296-11934-1-ND, Voltage - Supply="1.65 V ~ 5.5 V", .Checked PCB=used, .Checked SCH=used, Category="Integrated Circuits (ICs)", ComponentLink1Description=http://www.ti.com/lit/ds/symlink/sn74lvc1g17.pdf, ComponentLink1URL=http://www.ti.com/lit/ds/symlink/sn74lvc1g17.pdf, Logic Type="Schmitt Trigger - Buffer, Driver", Manufacturer Part Number=SN74LVC1G17DCKR, Mounting Type="Surface Mount", Number of Bits per Element=1, Number of Elements=1, Packaging="Cut Tape (CT)", Pricing 1="1=0.12, 10=0.097, 25=0.086, 100=0.0581, 250=0.05696, 500=0.0559, 750=0.05483 (USD)", RoHS="RoHS Compliant", Stock 1=50549, Supplier 1=Digi-Key
U18: "USB HUB CONT IND TEMP 36QFNE3", Current - Supply=85mA, Manufacturer="Microchip Technology", Operating Temperature="-40°C ~ 85°C", Package / Case="36-TQFN Exposed Pad", Supplier Device Package="36-QFN-EP (6x6)", Supplier Part Number 1=USB2514BI-AEZG-ND, Voltage - Supply="3 V ~ 3.6 V", .Checked PCB=used, .Checked SCH=used, .Creator=MM, Category="Integrated Circuits (ICs)", ComponentLink1Description=http://www.smsc.com/Downloads/SMSC/Downloads_Public/Data_Sheets/251xb.pdf, ComponentLink1URL=http://www.smsc.com/Downloads/SMSC/Downloads_Public/Data_Sheets/251xb.pdf, Function="Hub Controller", Interface=USB, Manufacturer Part Number=USB2514BI-AEZG, Packaging=Tube, Pricing 1="1=3.78, 10=3.26, 25=2.72, 100=2.47 (USD)", Protocol=USB, RoHS="RoHS Compliant", Standards="USB 2.0", Stock 1=1662, Supplier 1=Digi-Key
U19: "IC SW DISTRIBUTION 2CHAN 8SOIC", Current Limit=900mA, Manufacturer="Micrel Inc", Operating Temperature="-40°C ~ 85°C", Package / Case="8-SOIC (0.154\", 3.90mm Width)", Supplier Device Package=8-SOIC, Supplier Part Number=576-1059-1-ND, Voltage - Input="2.7 V ~ 5.5 V", .Checked PCB=used, .Checked SCH=used, Category="Integrated Circuits (ICs)", ComponentLink1Description=http://www.micrel.com/_PDF/mic2026.pdf, ComponentLink1URL=http://www.micrel.com/_PDF/mic2026.pdf, Family="PMIC - Power Distribution Switches", Internal Switch(s)=Yes, Manufacturer Part Number="MIC2026-1YM TR", Mounting Type="Surface Mount", Number of Outputs=2, Packaging="Cut Tape (CT)", Price 1k [$]=0.53200, Pricing 1="1=1.14, 25=0.95, 100=0.76, 250=0.57, 500=0.532 (USD)", Rds (On)="140 mOhm", RoHS="RoHS Compliant", Stock 1=44857, Supplier=Digikey, Supplier 1=Digi-Key, Supplier Part Number 1=576-1059-1-ND, Type="High Side Switch"